# Altium PCB MB1261.PcbDoc (part 4 of 6) (continued)
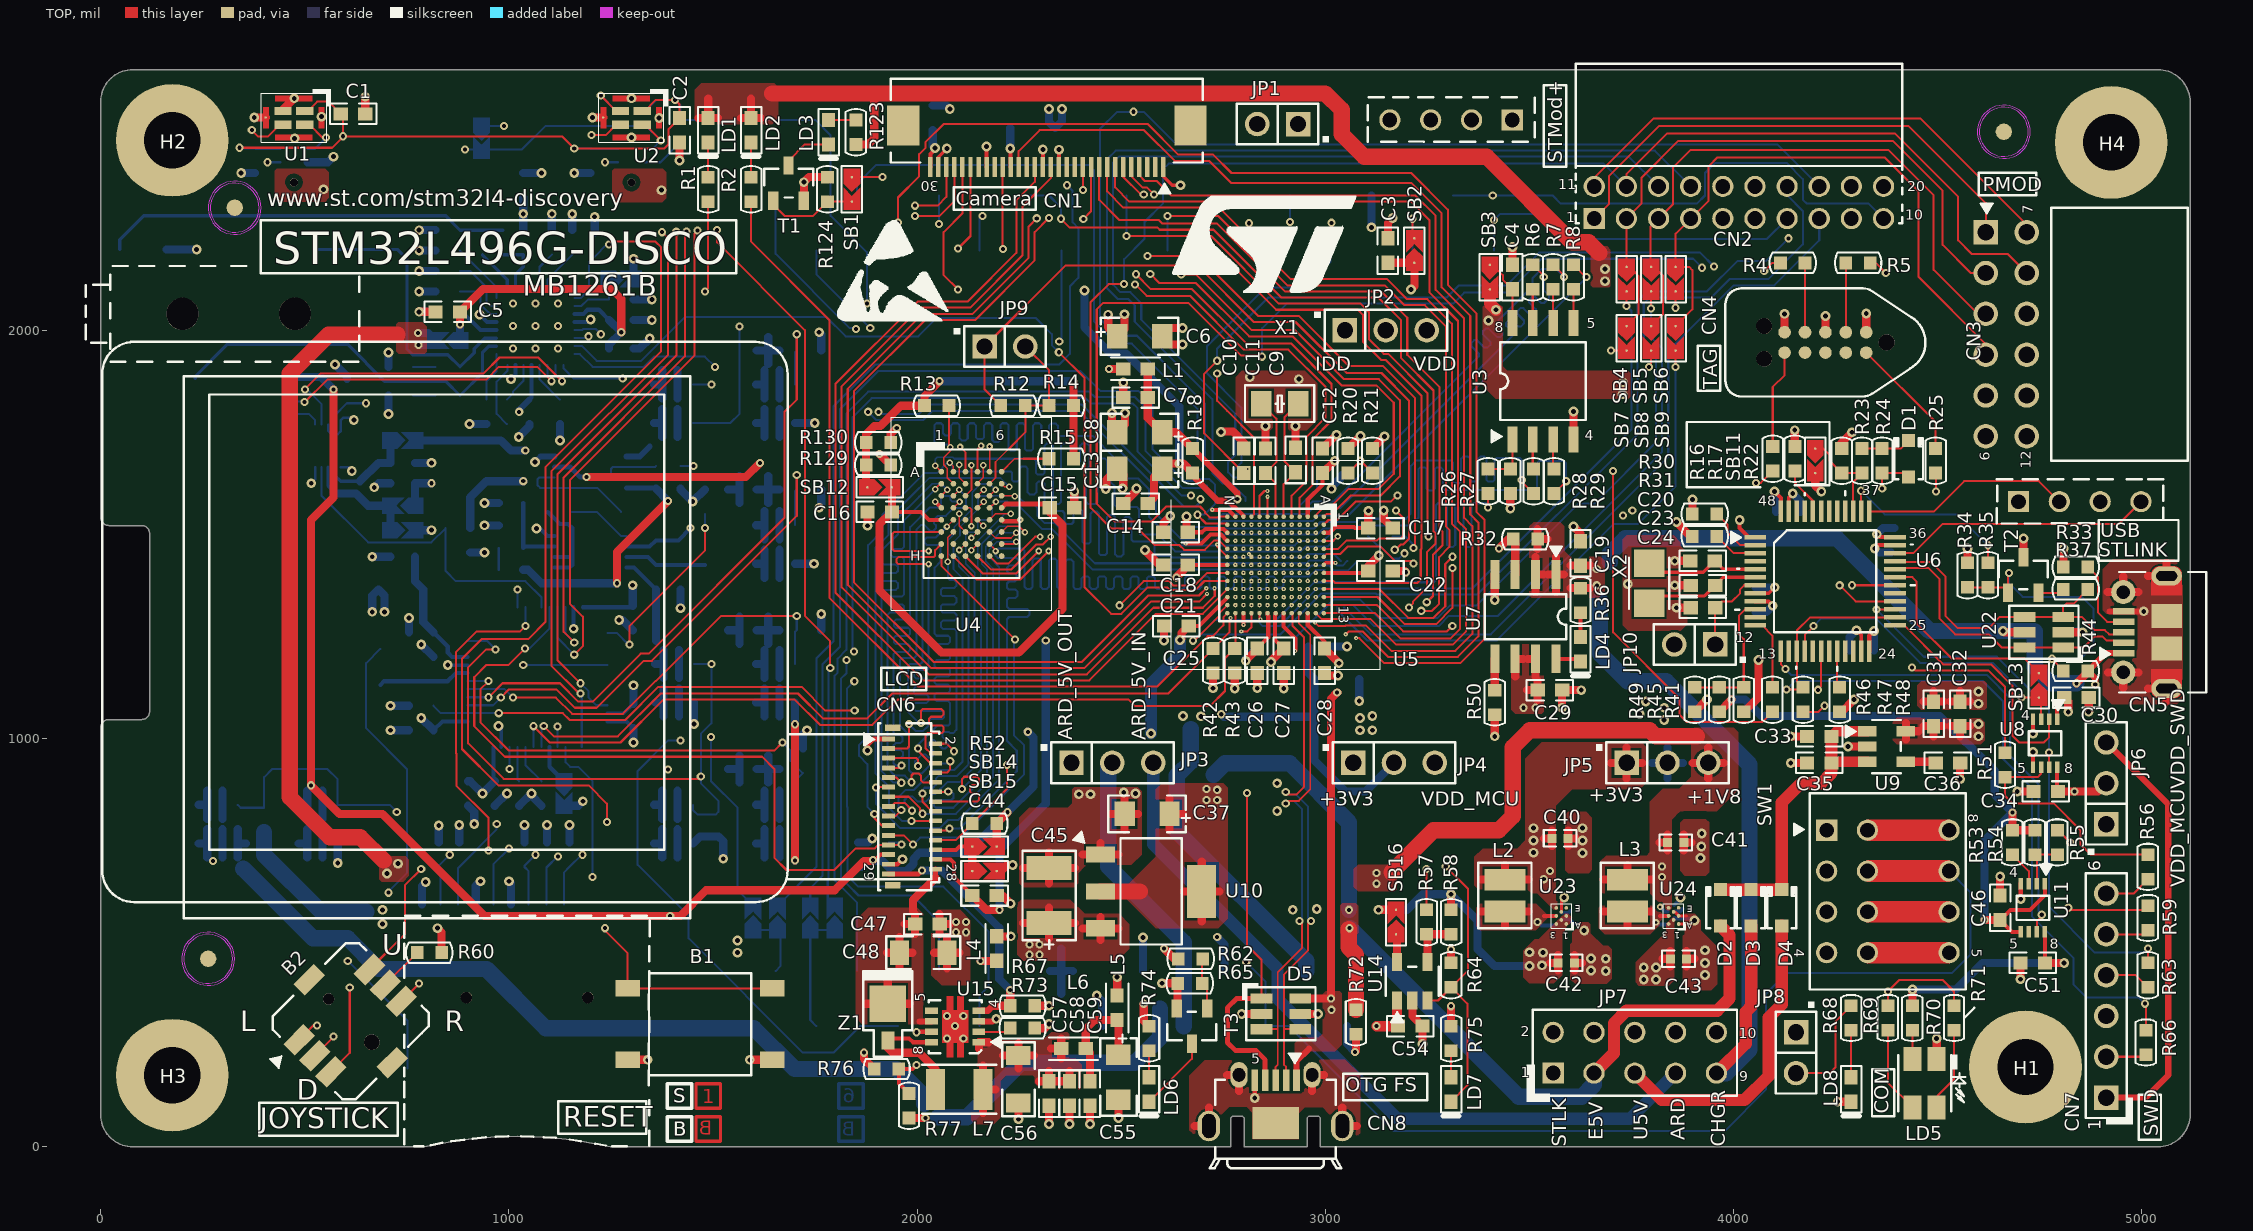
[diagram p0: TOP view]
## Nets (pads, with @x,y where several pads share a name; then routed paths per layer and width w, separated by ;. In a path a pad name is that pad's centre, name@x,y a point inside that pad or via, vN(x,y) a via of type N, cw(c..) or ccw(c..) an arc to the next point about the centre after c; other vN are vias at no path point) (continued)
NETR57_1: R57.1 R58.2 U14.4 | length 128.8
  TOP w20: U14.4@3250.5,452.24 3250.5,517.6 R57.1@3248.1,520 R58.2@3308.1,520
NETR57_2: R57.2 U21.39 | length 2545.8
  TOP w5: R57.2@3248.1,580 v1(3248.1,680)
  L3_SIG w4: v1(1205,660) 1268.96,660 1332.96,724 1954.92,724 1956.02,722.9 2014.88,722.9 2014.98,723 3205.1,723 v1(3248.1,680)
  BOTTOM w5: U21.39@1138.9,978.74 1138.9,941.1 1150,930 1170,930 1205,895 v1(1205,660)
NETR62_2: R62.2 R65.2 T3.1 | length 127.6
  TOP w5: R62.2@2700,460 2698.1,458.1 R65.2@2698.1,400 2710.5,387.6 T3.1@2710.5,338.31
NETR73_1: R73.1 U15.2 | length 80.6
  TOP w5: U15.2@2151.17,281.2 2219.3,281.2 R73.1@2228.1,290
NETR78_1: R78.1 U2.2 | length 126.9
  TOP w5: v1(1225,2575) 1263.27,2536.73 U2.2@1273.22,2536.73
  BOTTOM w5: v1(1225,2575) 1268.1,2531.9 R78.1@1268.1,2530
NETR79_1: R79.1 U16.2 | length 107.4
  BOTTOM w5: U16.2@1332.76,2411.34 1371.34,2411.34 R79.1@1420,2460
NETR91_2: R91.2 U18.4 | length 105.6
  BOTTOM w5: U18.4@1074.84,1914.72 1074.84,1879.94 1124.78,1830 R91.2@1125,1830
NETR92_2: R92.2 U19.6 U19.7 | length 168.3
  BOTTOM w5: U19.7@1287.99,1639.1 1255.9,1639.1 1250,1645 1250,1660 1254.7,1664.7 U19.6@1287.99,1664.7 1357.8,1664.7 R92.2@1360,1666.9
NETR93_1: R93.1 U5.E2 | length 152.9
  L2_GND w3.5: v3(2917.47,1523.43) 2917.47,1559.47 2921.37,1563.37 v5(2921.37,1563.64)
  L5_GND w3.5: v5(2921.37,1563.64) 2928.14,1563.64 v7(2937.05,1572.5)
  BOTTOM w5: v7(2937.05,1572.5) 2939.5,1572.5 2980,1613 R93.1@2980,1645
NETR96_1: R96.1 R97.1 U20.5 | length 157.7
  BOTTOM w5: R97.1@1155,1555 R96.1@1215,1555 1274.71,1495.29 U20.5@1287.99,1495.29
NETR96_2: R96.2 U19.1 U19.2 | length 290.6
  BOTTOM w5: U19.2@1112.01,1639.1 1074.1,1639.1 1070,1635 1070,1620 1076.49,1613.51 U19.1@1112.01,1613.51 1216.49,1613.51 R96.2@1275,1555
NETR97_2: R97.2 U20.1 U20.2 | length 256.9
  BOTTOM w10: R97.2@1095,1555 1125,1525 1145,1525 1155,1515 1155,1440 ; U20.1@1112.01,1418.51 1148.51,1418.51 1155,1425 1155,1440 ; U20.2@1112.01,1444.1 1150.9,1444.1 1155,1440
NETR101_1: R101.1 R105.1 | length 53.8
  BOTTOM w5: R105.1@975,1413.1 R101.1@975,1466.9
NETR112_1: R112.1 U21.44 | length 100.1
  BOTTOM w5: U21.44@1040.47,978.74 1040.47,934.53 R112.1@1080,895
NETR113_1: R113.1 U21.45 | length 85.5
  BOTTOM w5: U21.45@1020.79,978.74 1020.79,899.21 R113.1@1025,895
NETR124_1: R124.1 SB1.1 T1.1 | length 227.5
  TOP w5: T1.1@1647.6,2316.69 1647.6,2307.4 1675,2280 1745,2280 R124.1@1780,2315 SB1.1@1840,2315
NETSB16_2: SB16.2 U14.5 | length 68.8
  TOP w20: SB16.2@3173.1,520 3175.7,517.4 U14.5@3175.7,452.24
NETSB17_1: SB17.1 U1.4 U2.4 U16.1 U17.1 | length 1125.8
  TOP w5: U1.4@499.67,2503.27 511.73,2503.27 543,2472 v1(552,2472) ; U2.4@1326.36,2503.27 1333.73,2503.27 v1(1372,2465)
  L3_SIG w4: v1(552,2472) 580,2500 835,2500 v1(892,2443)
  BOTTOM w5: U17.1@506.07,2443.7 523.7,2443.7 v1(552,2472) ; v1(892,2443) 1032,2443 1089,2500 1337,2500 v1(1372,2465) 1350.7,2443.7 U16.1@1332.76,2443.7
NETSB24_2: SB24.2 U21.41 | length 98.4
  BOTTOM w10: U21.41@1099.53,978.74 1099.53,930.47 SB24.2@1135,895
OSC_IN: C20.2 U6.5 X2.2 | length 289.1
  TOP w8: X2.2@3793,1429.21 3815.21,1407 3926.1,1407 C20.2@3954.1,1435 3974.57,1414.53 U6.5@4052.84,1414.53
OSC_OUT: C23.2 U6.6 X2.1 | length 286.4
  TOP w8: X2.1@3793,1330.79 3811.21,1349 3929,1349 C23.2@3955,1375 3974.84,1394.84 U6.6@4052.84,1394.84
PMOD#1: CN2.1 CN3.1 U5.E6 | length 2476.2
  TOP w5: CN2.1@3658.77,2273.42 3695,2309.65 3695,2378 3817,2500 4429,2500 4618.1,2310.9 CN3.1@4618.1,2240
  L3_SIG w3.5: v4(2917.47,1444.69) 2923.06,1450.28 2936.45,1450.28 2936.61,1450.44 2937.44,1450.44 2949,1462 2961,1462 2980,1481 2994,1481 3022,1509 3065,1509 3083,1527 3101.73,1527 3109.71,1534.98
  L3_SIG w4: 3109.71,1534.98 3113.73,1539 3179,1539 3658.77,2018.77 CN2.1@3658.77,2273.42
PMOD#2: CN2.2 CN3.2 SB4.2 SB7.2 | length 1479.2
  TOP w5: SB7.2@3738.1,2010 3767,2038.9 3767,2133 3755,2145 ; SB4.2@3738.1,2155 3738.1,2272.83 CN2.2@3737.51,2273.42 3775,2310.91 3775,2374 3865,2464 4390,2464 4512,2342 4512,2209 4581,2140 CN3.2@4618.1,2140
PMOD#3: CN2.3 CN3.3 SB5.2 SB8.2 | length 1473.5
  TOP w5: 3797,2158 3797,2254.17 CN2.3@3816.25,2273.42 3852,2309.17 3852,2399 3894,2441 4380,2441 4490,2331 4490,2148 4598,2040 CN3.3@4618.1,2040 ; SB8.2@3798.1,2010 3827,2038.9 3827,2134 3815,2146
PMOD#4: CN2.4 CN3.4 SB6.2 SB9.2 | length 1504.1
  TOP w5: SB9.2@3858.1,2010 3899,2050.9 3899,2147 3891,2155 SB6.2@3858.1,2155 3858.1,2236.53 CN2.4@3894.99,2273.42 3939,2317.43 3939,2402 3960,2423 4370,2423 4453,2340 4453,2131 4618.1,1965.9 CN3.4@4618.1,1940
PMOD#11: CN2.11 CN3.7 U5.A2 | length 2456.6
  TOP w5: U5.A2@2996.21,1523.43 3007.77,1534.99 3029.48,1534.99 3074.99,1580.5 3161,1580.5 3175.5,1595 v1(3177,1595) ; CN2.11@3658.77,2352.16 3658.77,2373.77 3804,2519 4457,2519 4718.1,2257.9 CN3.7@4718.1,2240
  L3_SIG w4: v1(3177,1595) 3215,1595 3518,1898 3518,2211.39 CN2.11@3658.77,2352.16
PMOD#12: CN2.12 CN3.8 U5.N5 | length 3741.3
  TOP w5: v1(2507,2113) 2469,2113 2425,2069 2425,1627.03 2424.5,1626.53 2424.5,1595.47 2425,1594.97 2425,1565 2476,1514 2541,1514 2581.66,1473.34 2642.66,1473.34 2654,1462 2705,1462 2728.25,1485.25 2739.11,1485.25 U5.N5@2759.99,1464.37 ; CN2.12@3737.51,2352.16 3737.51,2381.51 3838,2482 4395,2482 4550,2327 4550,2220 4583,2187 4671.1,2187 CN3.8@4718.1,2140
  BOTTOM w5: v1(2507,2113) 2507,2174 2557,2224 2557,2265 2602,2310 2602,2394 2616,2408 3681.67,2408 CN2.12@3737.51,2352.16
PSRAM_A0: U4.A3 U5.F5 | length 1400.1
  TOP w4: v6@2109,1710 2118.34,1700.66 U4.A3@2118.34,1653.35
  TOP w5: v6(2105,1714) v6@2109,1710
  L3_SIG w3.5: 2814.1,1606.9 2831,1590 2831,1567.04 2888,1510.04 2888,1474.16 v4(2897.79,1464.37)
  L3_SIG w4: v6(2105,1714) 2118,1701 2187.39,1701 2192.39,1706 2192.39,1774 2187.39,1779 2150.39,1779 2146,1783.39 2146,1789.61 2150.39,1794 2204,1794 2209,1799 2209,1807 2204,1812 2149.69,1812 2145,1816.69 2145,1823.31 2149.69,1828 2604.94,1828 2748.94,1684 2780.16,1684 2814,1650.16 2814,1607 2814.1,1606.9
PSRAM_A1: U4.A4 U5.F4 | length 1396.4
  TOP w4: U4.A4@2147.86,1653.35 2147.86,1708.44 2149.42,1710
  TOP w5: 2149.42,1710 v6(2156.49,1717.07)
  L3_SIG w3.5: 2845.99,1606.9 2846.5,1606.39 2846.5,1576.5 2909,1514 2909,1499.99 2897.79,1488.78 v4(2897.79,1484.06)
  L3_SIG w4: v6(2156.49,1717.07) 2123.15,1717.07 2115.61,1724.61 2115.61,1731.02 2109.63,1737 2075,1737 2070,1742 2070,1750 2075,1755 2117.37,1755 2122.37,1760 2122.37,1769.02 2117.39,1774 2090,1774 2085,1779 2085,1847 2091,1853 2613.9,1853 2758.9,1708 2790.12,1708 2838,1660.12 2838,1614.89 2845.99,1606.9
PSRAM_A2: U4.A5 U5.F3 | length 1400.6
  TOP w4: U4.A5@2177.39,1653.35 v6@2177.39,1710
  TOP w5: v6@2177.39,1710 v6(2177.39,1715)
  L3_SIG w3.5: 2827.1,1606.9 2839,1595 2839,1570 2897.79,1511.21 v4(2897.79,1503.74)
  L3_SIG w4: v6(2177.39,1715) 2177.39,1727.07 2172.39,1732.07 2130.96,1732.07 2126,1737.03 2126,1744.04 2130.96,1749 2175.39,1749 2180.39,1754 2180.39,1762 2175.39,1767 2139,1767 2134,1772 2134,1788.27 2129,1793.27 2101,1793.27 2097,1797.27 2097,1805.27 2101,1809.27 2128.31,1809.27 2133,1813.96 2133,1820.58 2128.31,1825.27 2101,1825.27 2097,1829.27 2097,1837 2101,1841 2608.92,1841 2753.92,1696 2785.14,1696 2826,1655.14 2826,1611.98 2826.11,1611.87 2826.11,1607.89 2827.1,1606.9
PSRAM_A3: U4.B3 U5.G3 | length 1404.8
  TOP w3.5: U5.G3@2878.1,1503.74 2878.1,1504.1 2878.25,1504.25 v4(2878.25,1506)
  TOP w4: v6(2103,1670) 2103,1639.16 U4.B3@2118.34,1623.82
  L3_SIG w3.5: 2801.6,1606.9 2801.6,1606.4 2823,1585 2823,1561.25 v4(2878.25,1506)
  L3_SIG w4: v6(2103,1670) 2094.8,1670 2089.8,1665 2089.8,1647 2094.8,1642 2114.05,1642 2119.05,1647 2119.05,1683 2124.05,1688 2216,1688 2221,1693 2221,1705.43 2217,1709.43 2209,1709.43 2205,1713.43 2205,1721.43 2209,1725.43 2217,1725.43 2221,1729.43 2221,1737.43 2217,1741.43 2209,1741.43 2205,1745.43 2205,1753.43 2209,1757.43 2217,1757.43 2221,1761.43 2221,1811 2226,1816 2590,1816 2595,1811 2595,1748 2600,1743 2607.44,1743 2611.44,1747 2611.44,1788.52 2616.13,1793.21 2622.75,1793.21 2627.44,1788.52 2627.44,1747 2631.44,1743 2639.44,1743 2643.44,1747 2643.44,1756.52 2648.13,1761.21 2654.75,1761.21 2659.44,1756.52 2659.44,1747 2663.44,1743 2672.96,1743 2743.96,1672 2775.18,1672 2799,1648.18 2799,1609.5 2801.6,1606.9
PSRAM_A4: U4.B4 U5.G4 | length 1401.1
  TOP w4: U4.B4@2147.86,1623.82 2147.86,1624.86 2162,1639 v6(2162,1669)
  L3_SIG w3.5: 2787.86,1604.55 2813.54,1578.87 2813.54,1557.46 2868.5,1502.5 2868.5,1501.96 2878.1,1492.36 v4(2878.1,1484.06)
  L3_SIG w4: v6(2162,1669) 2228,1669 2233,1674 2233,1799 2238,1804 2446,1804 2451,1799 2451,1783 2456,1778 2482.51,1778 2486.51,1774 2486.51,1735 2490.51,1731 2498.51,1731 2502.51,1735 2502.51,1774 2506.51,1778 2514.51,1778 2518.51,1774 2518.51,1735 2522.51,1731 2530.51,1731 2534.51,1735 2534.51,1785.31 2539.2,1790 2545.82,1790 2550.51,1785.31 2550.51,1735 2554.51,1731 2562.51,1731 2566.51,1735 2566.51,1785.31 2571.2,1790 2577.82,1790 2582.51,1785.31 2582.51,1735 2586.51,1731 2667.98,1731 2738.98,1660 2770.2,1660 2787,1643.2 2787,1605.4 2787.85,1604.55
PSRAM_A5: U4.C3 U5.G5 | length 1402.7
  TOP w4: U4.C3@2118.34,1594.29 2133.05,1609 v6(2133.05,1669.05)
  L3_SIG w3.5: 2776,1570 2811,1535 2824.7,1535 2868.35,1491.35 2868.35,1480.02 2878.1,1470.27 v4(2878.1,1464.37)
  L3_SIG w4: v6(2133.05,1669.05) 2133.05,1644 2138.05,1639 2154,1639 2170,1655 2240,1655 2245,1660 2245,1765 2250,1770 2262.93,1770 2266.93,1774 2266.93,1788 2270.93,1792 2278.93,1792 2282.93,1788 2282.93,1774 2286.93,1770 2294.93,1770 2298.93,1774 2298.93,1788 2302.93,1792 2310.93,1792 2314.93,1788 2314.93,1774 2318.93,1770 2326.93,1770 2330.93,1774 2330.93,1788 2334.93,1792 2342.93,1792 2346.93,1788 2346.93,1774 2350.93,1770 2358.93,1770 2362.93,1774 2362.93,1788 2366.93,1792 2396,1792 2401,1787 2401,1779 2406,1774 2415,1774 2420,1779 2420,1787 2425,1792 2433,1792 2438,1787 2438,1724 2443,1719 2448.42,1719 2452.42,1723 2452.42,1762 2456.42,1766 2464.42,1766 2468.42,1762 2468.42,1723 2472.42,1719 2663,1719 2739,1643 2739,1636 2768.17,1606.83 2768.17,1577.83 2776,1570
PSRAM_A6: U4.C4 U5.N6 | length 1403.5
  TOP w4: U4.C4@2147.86,1594.29 2162.57,1609 v6(2163,1609)
  TOP w5: v4(2734.75,1474.75) 2734.75,1469.93 U5.N6@2759.99,1444.69
  L3_SIG w3.5: 2688.8,1514.2 2689,1514.2 2690,1513.2 2690,1490 2705.25,1474.75 v4(2734.75,1474.75)
  L3_SIG w4: v6(2163,1609) 2163,1628 2180,1645 2252,1645 2257,1650 2257,1753 2262,1758 2389.38,1758 2393.38,1754 2393.38,1711.69 2398.07,1707 2404.69,1707 2409.38,1711.69 2409.38,1757.13 2414.25,1762 2421.13,1762 2426,1757.13 2426,1712 2431,1707 2657,1707 2662,1702 2662,1698 2657,1693 2619,1693 2614,1688 2614,1659 2619,1654 2657,1654 2662,1649 2662,1643 2657,1638 2619,1638 2614,1633 2614,1626 2619,1621 2654,1621 2659,1616 2659,1609 2654,1604 2618,1604 2613,1599 2613,1591 2618,1586 2654,1586 2663,1577 2663,1569 2658,1564 2646,1564 2641,1559 2641,1535 2656,1520 2683,1520 2688.8,1514.2
PSRAM_A7: U4.D4 U5.M6 | length 1400.2
  TOP w4: U4.D4@2147.86,1564.76 v6(2163,1579.9)
  L2_GND w3.5: 2730,1446.79 2777.57,1446.79 v3(2779.67,1444.69)
  L2_GND w5: v5(2682,1479) 2683,1479 2715.21,1446.79 2730,1446.79
  L3_SIG w4: v6(2163,1579.9) 2163,1589.2 2177,1603.2 2177,1622 2186,1631 2248,1631 2253,1626 2253,1583.69 2257.69,1579 2264.31,1579 2269,1583.69 2269,1741.88 2273.12,1746 2278.96,1746 2283.08,1741.88 2283.08,1699 2287.08,1695 2295.08,1695 2299.08,1699 2299.08,1741.31 2303.77,1746 2310.39,1746 2315.08,1741.31 2315.08,1699 2319.08,1695 2327.08,1695 2331.08,1699 2331.08,1741.31 2335.77,1746 2342.39,1746 2347.08,1741.31 2347.08,1699 2351.08,1695 2359.08,1695 2363.08,1699 2363.08,1741.31 2367.77,1746 2374.39,1746 2379.08,1741.31 2379.08,1699 2383.08,1695 2596,1695 2601,1690 2601,1537.12 2619.12,1519 2640,1519 2652.25,1506.75 2652.25,1504.36 2677.61,1479 v5(2682,1479)
PSRAM_A8: U4.H2 U5.L6 | length 1402.7
  TOP w5: U4.H2@2088.81,1446.65 2146.46,1389 2252,1389 v6(2322,1459)
  L2_GND w3.5: 2728.3,1437.2 2773.37,1437.2 2775.63,1434.94 2789.62,1434.94 v3(2799.36,1444.68)
  L2_GND w5: v5(2634,1460) 2684,1460 2706.8,1437.2 2728.3,1437.2
  L3_SIG w3.5: 2617.1,1460.9 2633.1,1460.9 v5(2634,1460)
  L3_SIG w4: v6(2322,1459) 2331,1459 2357,1485 2365.34,1485 2369.34,1489 2369.34,1536 2373.34,1540 2381.34,1540 2385.34,1536 2385.34,1489 2389.34,1485 2397.34,1485 2401.34,1489 2401.34,1536 2405.34,1540 2413.34,1540 2417.34,1536 2417.34,1489 2421.34,1485 2429.34,1485 2433.34,1489 2433.34,1536 2437.34,1540 2445.34,1540 2449.34,1536 2449.34,1489 2453.34,1485 2461.34,1485 2465.34,1489 2465.34,1536 2469.34,1540 2477.34,1540 2481.34,1536 2481.34,1489 2485.34,1485 2493.34,1485 2497.34,1489 2497.34,1536 2501.34,1540 2509.34,1540 2513.34,1536 2513.34,1489 2517.34,1485 2525.34,1485 2529.34,1489 2529.34,1536 2533.34,1540 2541.34,1540 2545.34,1536 2545.34,1489 2549.34,1485 2576,1485 2600.1,1460.9 2617.1,1460.9
PSRAM_A9: U4.H3 U5.K6 | length 1420.2
  TOP w3.5: v4(2812.43,1451.3) U5.K6@2819.04,1444.69
  TOP w5: U4.H3@2118.34,1446.65 2160.99,1404 2243,1404 v6(2298,1459)
  L3_SIG w3.5: 2622.75,1477.25 2635.75,1477.25 2663,1450 2755,1450 2756.3,1451.3 v4(2812.43,1451.3)
  L3_SIG w4: v6(2298,1459) 2313,1474 2329,1474 2343.5,1488.5 2343.5,1512.5 2320,1536 2320,1578.18 2324.82,1583 2331.63,1583 2336.45,1578.18 2336.45,1557.69 2341.14,1553 2347.76,1553 2352.45,1557.69 2352.45,1579 2357.45,1584 2364.59,1584 2369.59,1579 2369.59,1556 2373.59,1552 2381.59,1552 2385.59,1556 2385.59,1582 2389.59,1586 2399,1586 2404,1581 2404,1556.79 2408.79,1552 2415.57,1552 2420.36,1556.79 2420.36,1587 2424.36,1591 2432.36,1591 2436.36,1587 2436.36,1556.69 2441.05,1552 2447.67,1552 2452.36,1556.69 2452.36,1587 2456.36,1591 2464.36,1591 2468.36,1587 2468.36,1556.69 2473.05,1552 2479.67,1552 2484.36,1556.69 2484.36,1587 2488.36,1591 2496.36,1591 2500.36,1587 2500.36,1556.69 2505.05,1552 2511.67,1552 2516.36,1556.69 2516.36,1587 2520.36,1591 2528,1591 2533,1586 2533,1556.69 2537.69,1552 2544.31,1552 2549,1556.69 2549,1586 2554,1591 2559,1591 2564,1586 2564,1513.98 2600.73,1477.25 2622.75,1477.25
PSRAM_A10: U4.H4 U5.J6 | length 1409.7
  TOP w5: U4.H4@2147.86,1446.65 2180.51,1414 2231,1414 2292,1475 2308,1475 v6(2327,1494)
  L3_SIG w3.5: 2634.75,1489.25 2635.75,1489.25 2667.5,1457.5 2748.5,1457.5 2754,1463 2814.75,1463 2833.06,1444.69 v4(2838.73,1444.69)
  L3_SIG w4: v6(2327,1494) 2327,1511 2293,1545 2293,1660.31 2297.69,1665 2304.31,1665 2309,1660.31 2309,1621.98 2313.98,1617 2321.02,1617 2326,1621.98 2326,1661.31 2330.69,1666 2337.31,1666 2342,1661.31 2342,1601 2347,1596 2354,1596 2359,1601 2359,1666 2364,1671 2401,1671 2406,1666 2406,1609 2411,1604 2418,1604 2423,1609 2423,1631 2428,1636 2571,1636 2576,1631 2576,1518.96 2605.71,1489.25 2634.75,1489.25
PSRAM_A11: U4.H5 U5.H6 | length 1421.3
  TOP w5: U4.H5@2177.39,1446.65 2196.04,1428 2223,1428 2289,1494 v6(2301,1494)
  L3_SIG w3.5: 2643.24,1497.74 2643.24,1496.52 2674.76,1465 2745.39,1465 2754.39,1474 2814.36,1474 2833.92,1454.44 2848.66,1454.44 v4(2858.41,1444.69)
  L3_SIG w4: v6(2301,1494) 2301,1516 2281,1536 2281,1678 2286,1683 2422.1,1683 2426.1,1679 2426.1,1653 2430.1,1649 2438.1,1649 2442.1,1653 2442.1,1679 2446.1,1683 2454.1,1683 2458.1,1679 2458.1,1653 2462.1,1649 2470.1,1649 2474.1,1653 2474.1,1679 2478.1,1683 2486.1,1683 2490.1,1679 2490.1,1653 2494.1,1649 2502.1,1649 2506.1,1653 2506.1,1679 2510.1,1683 2518.1,1683 2522.1,1679 2522.1,1653 2526.1,1649 2534.1,1649 2538.1,1653 2538.1,1679 2542.1,1683 2550.1,1683 2554.1,1679 2554.1,1653 2558.1,1649 2566.1,1649 2570.1,1653 2570.1,1679 2574.1,1683 2584,1683 2589,1678 2589,1522.94 2610.69,1501.25 2639.73,1501.25 2643.24,1497.74
PSRAM_A12: U4.G3 U5.J12 | length 1400.5
  TOP w4: v6(2103,1461.47) 2103.63,1461.47 U4.G3@2118.34,1476.18
  L2_GND w3.5: v5(2834,1234) 2834,1245 2820,1259 2820,1270 2830,1280 2830,1317.84 v3(2838.73,1326.57)
  L3_SIG w4: v6(2103,1461.47) 2067.47,1497 2008,1497 1986,1475 1986,1384.58 2202.98,1167.6 2215.98,1167.6 2219.98,1171.6 2219.98,1181 2223.98,1185 2231.98,1185 2235.98,1181 2235.98,1171.6 2239.98,1167.6 2247.98,1167.6 2251.98,1171.6 2251.98,1181 2255.98,1185 2263.98,1185 2267.98,1181 2267.98,1171.6 2271.98,1167.6 2279.98,1167.6 2283.98,1171.6 2283.98,1181 2287.98,1185 2295.98,1185 2299.98,1181 2299.98,1171.6 2303.98,1167.6 2691.88,1167.6 2702.18,1177.9 2749.04,1177.9 2797.14,1226 2817.98,1226 2825.98,1234 v5(2834,1234)
PSRAM_A13: U4.G4 U5.J11 | length 1418.2
  TOP w4: v6(2133,1461) 2147.86,1475.86 U4.G4@2147.86,1476.18
  L2_GND w3.5: v5(2835,1265) 2835,1271.58 2851,1287.58 2851,1307.66 2848.66,1310 2848.66,1330.88 2838.73,1340.81 v3(2838.73,1346.26)
  L3_SIG w4: v6(2133,1461) 2133,1459.68 2120.32,1447 2096,1447 2058,1485 2015,1485 2000,1470 2000,1387.56 2190.56,1197 2315.55,1197 2319.55,1193 2319.55,1184 2323.55,1180 2331.55,1180 2335.55,1184 2335.55,1193 2339.55,1197 2347.55,1197 2351.55,1193 2351.55,1184 2355.55,1180 2363.55,1180 2367.55,1184 2367.55,1193 2371.55,1197 2379.55,1197 2383.55,1193 2383.55,1184 2387.55,1180 2395.55,1180 2399.55,1184 2399.55,1193 2403.55,1197 2411.55,1197 2415.55,1193 2415.55,1184 2419.55,1180 2427.55,1180 2431.55,1184 2431.55,1193 2435.55,1197 2443.55,1197 2447.55,1193 2447.55,1184 2451.55,1180 2687.3,1180 2697.2,1189.9 2744.06,1189.9 2792.16,1238 2803.98,1238 2830.98,1265 v5(2835,1265)
PSRAM_A14: U4.F3 U5.J10 | length 1593.2
  TOP w4: v6(2103,1550) 2103,1521.05 U4.F3@2118.34,1505.71
  L3_SIG w3.5: v4(2838.73,1365.94) 2838.73,1341.89 2890.7,1289.92 2890.7,1267.34 2877,1253.64 2877,1224.64 2860.86,1208.5
  L3_SIG w4: v6(2103,1550) 2097,1556 2016.06,1556 1950,1489.94 1950,1369.63 2191.63,1128 2703.22,1128 2717.12,1141.9 2800.76,1141.9 2848,1189.14 2848,1195.64 2860.86,1208.5
PSRAM_A15: U4.F4 U5.J9 | length 1432.8
  TOP w4: v6(2133,1491) 2147.71,1505.71 U4.F4@2147.86,1505.71
  L2_GND w3.5: v5(2816,1286) 2816,1295 2809.15,1301.85 2809.15,1350.36 2815,1356.21 2823.08,1356.21 2828.79,1361.92 2828.79,1375.69 v4(2838.73,1385.63)
  L3_SIG w4: v6(2133,1491) 2147,1477 2147,1455.2 2127.8,1436 2092,1436 2053,1475 2024,1475 2012,1463 2012,1392.54 2195.54,1209 2460.47,1209 2464.47,1205 2464.47,1196 2468.47,1192 2476.47,1192 2480.47,1196 2480.47,1205 2484.47,1209 2492.47,1209 2496.47,1205 2496.47,1196 2500.47,1192 2508.47,1192 2512.47,1196 2512.47,1205 2516.47,1209 2524.47,1209 2528.47,1205 2528.47,1196 2532.47,1192 2540.47,1192 2544.47,1196 2544.47,1205 2548.47,1209 2556.47,1209 2560.47,1205 2560.47,1196 2564.47,1192 2682.32,1192 2692.22,1201.9 2739.08,1201.9 2787.18,1250 2799,1250 2816,1267 v5(2816,1286)
PSRAM_A16: U4.E4 U5.K12 | length 1525.5
  TOP w4: U4.E4@2147.86,1535.24 2147.86,1535.14 v6(2162,1521)
  L3_SIG w3.5: v4(2819.04,1326.57) 2832.83,1326.57 2861,1298.4 2861,1226.34 2848,1213.34 2848,1212.98 2843.52,1208.5
  L3_SIG w4: v6(2162,1521) 2152,1521 2137,1536 2094,1536 2085,1545 2022.04,1545 1962,1484.96 1962,1374.61 2194.71,1141.9 2700.14,1141.9 2712.14,1153.9 2795.78,1153.9 2836,1194.12 2836,1200.98 2843.52,1208.5
PSRAM_A17: U4.D3 U5.K11 | length 1494.4
  TOP w4: U4.D3@2118.34,1564.76 2129.24,1564.76 2133,1561 v6(2133,1520)
  L3_SIG w3.5: v4(2819.04,1346.26) 2817,1346.26 2809.29,1338.55 2809.29,1322.53 2821.82,1310 2836.66,1310 2851,1295.66 2851,1232.96 2832.04,1214 2824.3,1214
  L3_SIG w4: v6(2133,1520) 2128,1515 2097,1515 2079,1533 2027.02,1533 1974,1479.98 1974,1379.6 2198,1155.6 2696.86,1155.6 2707.16,1165.9 2754.02,1165.9 2802.12,1214 2824.3,1214
PSRAM_A18: CN6.21 U4.H1 U5.K13 | length 2187.9
  TOP w5: CN6.21@1930.26,762.46 1967.44,762.46 v1(1990,739.9) ; U4.H1@2059.28,1446.65 2059.28,1422.72 v1(2240,1242) ; v4(2794,1262) 2809,1262 2819,1272 2819,1306.85 U5.K13@2819.04,1306.89
  L3_SIG w4: v1(2240,1242) 2210,1242 2205,1237 2205,1226 2210,1221 2266.69,1221 2270.69,1225 2270.69,1240.31 2275.38,1245 2282,1245 2286.69,1240.31 2286.69,1226 2291.69,1221 2328.69,1221 2333.69,1226 2333.69,1239.31 2338.38,1244 2345,1244 2349.69,1239.31 2349.69,1226 2354.69,1221 2360.69,1221 2365.69,1226 2365.69,1239.31 2370.38,1244 2377,1244 2381.69,1239.31 2381.69,1226 2386.69,1221 2394.56,1221 2399.56,1226 2399.56,1240 2403.56,1244 2411.56,1244 2415.56,1240 2415.56,1226 2420.56,1221 2427.11,1221 2432.11,1226 2432.11,1240 2436.11,1244 2444.11,1244 2448.11,1240 2448.11,1226 2453.11,1221 2459.11,1221 2464.11,1226 2464.11,1240 2468.11,1244 2476.11,1244 2480.11,1240 2480.11,1226 2485.11,1221 2491.11,1221 2496.11,1226 2496.11,1240 2500.11,1244 2508.11,1244 2512.11,1240 2512.11,1226 2517.11,1221 2524.51,1221 2529.51,1226 2529.51,1240 2533.51,1244 2541.51,1244 2545.51,1240 2545.51,1226 2550.51,1221 2558,1221 2563,1226 2563,1237 2568,1242 2574.07,1242 2579.07,1237 2579.07,1208.67 2583.74,1204 2590.33,1204 2595,1208.67 2595,1216 2600,1221 2607.07,1221 2611.07,1217 2611.07,1208 2615.07,1204 2623.07,1204 2627.07,1208 2627.07,1217.31 2631.76,1222 2638.38,1222 2643.07,1217.31 2643.07,1208 2647.07,1204 2655.07,1204 2659.07,1208 2659.07,1217 2663.07,1221 2696.27,1221 2700.27,1225 2700.27,1237.31 2704.96,1242 2711.58,1242 2716.27,1237.31 2716.27,1225 2720.27,1221 2731,1221 2736,1226 2736,1242 2756,1262 v4(2794,1262)
  BOTTOM w5: v1(1990,739.9) 2007.1,757 2107,757 2262,912 2262,983 2237,1008 2237,1239 v1(2240,1242)
PSRAM_NBL0: U4.A1 U5.A4 | length 1994.4
  TOP w4: v6(2044,1667.63) 2045,1667.63 U4.A1@2059.28,1653.35
  TOP w5: U5.A4@2996.21,1484.06 3019.56,1484.06 v6(3030.25,1494.75)
  BOTTOM w4: v6(2044,1667.63) 2044,1684 2049,1689 2087,1689 2091,1685
  BOTTOM w5: 2091,1685 2286,1685 2291,1680 2291,1651 2296,1646 2307.31,1646 2312.31,1651 2312.31,1717 2317.31,1722 2327.31,1722 2332.31,1717 2332.31,1579 2337.31,1574 2347.24,1574 2352.24,1579 2352.24,1717 2357.24,1722 2371,1722 2376,1717 2376,1679 2381,1674 2394,1674 2399,1679 2399,1717 2404,1722 2417,1722 2422,1717 2422,1667 2414,1659 2414,1579 2419,1574 2437,1574 2442,1579 2442,1681 2447,1686 2460,1686 2465,1681 2465,1637 2483,1619 2483,1572 2488,1567 2538,1567 2543,1562 2543,1504 2548,1499 2590.98,1499 2631.98,1458 2939.98,1458 2951.98,1470 3005.5,1470 v6(3030.25,1494.75)
PSRAM_NBL1: R13.1 U4.B2 U5.B4 | length 2152
  TOP w4: v6@2081,1710 2081,1704 2065,1688 2065,1670 2074,1661 2074,1638.63 U4.B2@2088.81,1623.82
  TOP w5: R13.1@2078.1,1815 2078.1,1715.9 v6(2081,1713) v6@2081,1710
  L2_GND w3.5: v3(2976.53,1484.06) 2989.06,1484.06 3026,1521 3035,1521 v5(3037,1523)
  L5_GND w3.5: v7(3014,1503) 3034,1523 v5(3037,1523)
  BOTTOM w5: v6(2081,1713) 2081,1715 2076,1720 2047,1720 2042,1725 2042,1767 2047,1772 2058.35,1772 2063.35,1767 2063.35,1747 2068.35,1742 2078.35,1742 2083.35,1747 2083.35,1767 2088.35,1772 2098.96,1772 2103.96,1767 2103.96,1735 2108.96,1730 2118.96,1730 2123.96,1735 2123.96,1767 2128.96,1772 2138.96,1772 2143.96,1767 2143.96,1738 2148.96,1733 2158.96,1733 2163.96,1738 2163.96,1767 2168.96,1772 2178.96,1772 2183.96,1767 2183.96,1731 2188.96,1726 2198.96,1726 2203.96,1731 2203.96,1767 2208.96,1772 2218.96,1772 2223.96,1767 2223.96,1710 2228.96,1705 2238.96,1705 2243.96,1710 2243.96,1767 2248.96,1772 2258.96,1772 2263.96,1767 2263.96,1710 2268.96,1705 2278.96,1705 2283.96,1710 2283.96,1767 2288.96,1772 2299,1772 2304,1767 2304,1746 2309,1741 2317.77,1741 2322.77,1746 2322.77,1766 2327.77,1771 2340,1771 2345,1766 2345,1745 2349,1741 2430,1741 2482,1689 2482,1645 2490,1637 2541,1637 2568,1610 2568,1543.2 2638.2,1473 2925,1473 2936,1484 2995,1484 v7(3014,1503)
PSRAM_NE: JP9.1 R12.2 U5.B7 | length 2026.8
  TOP w5: R12.2@2205,1815 2165,1855 JP9.1@2165,1960 2364,2159 2686,2159 2825,2020 2926.91,2020 3051.91,1895 3137.44,1895 3205,1827.44 3205,1488.78 3191.22,1475 3185,1475 3172,1462 v1(3170,1462)
  L3_SIG w3.5: v4(2976.53,1425) 2991.53,1440 3093,1440 3106,1427 3132,1427
  L3_SIG w4: 3132,1427 3137,1427 3170,1460 v1(3170,1462)
PSRAM_VDD: R13.2 R14.2 R15.1 R129.1 R130.1 SB12.2 | length 892.6
  TOP w20: 1880,1620 1875,1625 R129.1@1875,1670 R130.1@1875,1725 1875,1745 1895,1765 1910,1765 1960,1815 R13.2@2018.1,1815 2018.1,1838.1 v1(2055,1875) ; R15.1@2383.1,1685 R14.2@2383.1,1815 v1(2383.1,1875)
  BOTTOM w20: v1(2055,1875) v1(2383.1,1875)
PWR_ENN: R32.2 U6.28 U7.3 | length 1157.2
  TOP w5: v1(4260,1375) 4299.21,1335.79 U6.28@4395.36,1335.79
  TOP w20: v1(3425,1465) 3448.1,1488.1 R32.2@3460,1488.1 3465,1483.1 U7.3@3465,1401.4
  L3_SIG w5: v1(3425,1465) 4167.58,1465 4257.58,1375 v1(4260,1375)
QSPI_BK1_IO0: R8.1 U5.L5 | length 1425.8
  TOP w5: R8.1@3608.1,2160 3638.1,2130 v1(3640,2130)
  L2_GND w3.5: v5(2675,1500) 2680,1500 2704,1476 2704,1473 2721.2,1455.8 2768.5,1455.8 2769.86,1454.44 2789.44,1454.44 v3(2799.36,1464.36)
  L5_GND w3.5: v5(2675,1500) 2682,1507 v7@2682,1514.2
  L5_GND w5: v7@2682,1514.2 v7(2682,1518)
  BOTTOM w5: v7(2682,1518) 2734,1518 2748,1532 2969,1532 2983,1546 3056,1546 v1(3640,2130)
QSPI_BK1_IO1: R28.1 U5.K5 | length 1396.1
  TOP w5: v1(3481,1633) 3481,1629 R28.1@3510,1600
  L2_GND w3.5: v5(2750.63,1486.19) 2750.81,1486.19 2762.88,1474.12 2809.29,1474.12 v3(2819.04,1464.37)
  L5_GND w3.5: v5(2750.63,1486.19) 2751,1486.56 v7(2751,1514)
  BOTTOM w5: v7(2751,1514) 2972.2,1514 2988.2,1530 3076,1530 3084,1538 3197,1538 3209,1550 3209,1667 3223,1681 3307.58,1681 3312.58,1676 3312.58,1630 3317.58,1625 3327.58,1625 3332.58,1630 3332.58,1685 3337.58,1690 3349.54,1690 3354.54,1685 3354.54,1634 3359.54,1629 3369.54,1629 3374.54,1634 3374.54,1685 3379.54,1690 3389.54,1690 3394.54,1685 3394.54,1634 3399.54,1629 3409.54,1629 3414.54,1634 3414.54,1682 3419.54,1687 3476,1687 3481,1682 v1(3481,1633)
QSPI_BK1_IO2: R29.1 U5.L4 | length 1409.8
  TOP w5: R29.1@3560,1600 v1(3590,1630)
  L2_GND w3.5: v5(2723.25,1501.52) 2753.48,1501.52 2761.01,1493.99 2783.53,1493.99 2793.46,1484.06 v3(2799.36,1484.06)
  L5_GND w3.5: v5(2723.25,1501.52) 2723.25,1495.08 v7(2732.35,1485.98)
  BOTTOM w5: v7(2732.35,1485.98) 2732.98,1485.98 2747,1500 2981,1500 2995.25,1514.25 3076.25,1514.25 3084,1522 3210,1522 3228,1540 3228,1659 3233,1664 3243,1664 3248,1659 3248,1612 3253,1607 3263,1607 3268,1612 3268,1659 3273,1664 3283,1664 3288,1659 3288,1613 3293,1608 3513,1608 3518,1613 3518,1674 3523,1679 3585,1679 3590,1674 v1(3590,1630)

## Text inside footprints (layer, text, board x,y; h text height)
CN9: DXF_0731 "2" at 3351.7,2515 h16; DXF_0731 "4" at 3151.7,2515 h16; DXF_0731 "1" at 3451.7,2515 h16; DXF_0731 "3" at 3251.7,2515 h16; DXF_0731 "Sofer Lib Information" at 3559.1,2902 h25; DXF_0731 "Ref PN: ***" at 3529.1,2852 h25; DXF_0731 "Creat : Sofer Tech" at 3529.1,2812 h25; DXF_0731 "Date  : 2007-11-21" at 3529.1,2772 h25; DXF_0731 "Rev   : B1" at 3529.1,2732 h25; DXF_0731 "Remark: ***" at 3529.1,2692 h25; DXF_0731 "HDR_1X4_2R54" at 3214.1,2405 h30; DXF_0731 "[N_A]" at 3303.1,2405 h30; DXF_0731 "Approved" at 3186.1,2503.33 h35; Bottom Overlay "1" at 3560,2510 h40
CN10: DXF_0731 "8" at 3206.7,2195 h16 r180; DXF_0731 "9" at 3306.7,2330 h16 r180; DXF_0731 "10" at 3400.3,2195 h16 r180; DXF_0731 "6" at 3006.7,2195 h16 r180; DXF_0731 "5" at 2906.7,2330 h16 r180; DXF_0731 "4" at 2806.7,2195 h16 r180; DXF_0731 "3" at 2706.7,2330 h16 r180; DXF_0731 "2" at 2606.7,2195 h16 r180; DXF_0731 "1" at 2506.7,2330 h16 r180; DXF_0731 "7" at 3106.7,2330 h16 r180; DXF_0731 "Sofer Lib Information" at 2783.1,1827.5 h25 r180; DXF_0731 "Ref PN: SSW-110-22-X-S-VS" at 2813.1,1877.5 h25 r180; DXF_0731 "Creat : Yuki" at 2813.1,1917.5 h25 r180; DXF_0731 "Date  : 2014-12-04" at 2813.1,1957.5 h25 r180; DXF_0731 "Rev   : A1" at 2813.1,1997.5 h25 r180; DXF_0731 "Remark: D031-014A1" at 2813.1,2037.5 h25 r180; DXF_0731 "OK" at 2935.1,2262.5 h35 r180; DXF_0731 "2.54" at 2539.1,2100.5 h16 r180; DXF_0731 "5.08" at 2694.1,2100.5 h16 r180; DXF_0731 "20.32" at 2868.1,2440.5 h16 r180; DXF_0731 "25.91" at 2868.1,2465.5 h16 r180; DXF_0731 "2.41" at 3489.1,2270.5 h16 r180; DXF_0731 "5.16" at 3544.1,2270.5 h16 r180; Bottom Overlay "10" at 3435,2105 h25; Bottom Overlay "9" at 3370,2330 h25; Bottom Overlay "2" at 2620,2105 h25
CN11: DXF_0731 "8" at 2346.7,2195 h16 r180; DXF_0731 "7" at 2246.7,2330 h16 r180; DXF_0731 "6" at 2146.7,2195 h16 r180; DXF_0731 "5" at 2046.7,2330 h16 r180; DXF_0731 "4" at 1946.7,2195 h16 r180; DXF_0731 "3" at 1846.7,2330 h16 r180; DXF_0731 "2" at 1746.7,2195 h16 r180; DXF_0731 "1" at 1646.7,2330 h16 r180; DXF_0731 "Sofer Lib Information" at 1808.1,1847.5 h25 r180; DXF_0731 "Ref PN: SSW-108-22-X-S-VS" at 1838.1,1897.5 h25 r180; DXF_0731 "Creat : Yuki" at 1838.1,1937.5 h25 r180; DXF_0731 "Date  : 2014-12-04" at 1838.1,1977.5 h25 r180; DXF_0731 "Rev   : A1" at 1838.1,2017.5 h25 r180; DXF_0731 "Remark: D031-014A1" at 1838.1,2057.5 h25 r180; DXF_0731 "OK" at 1975.1,2262.5 h35 r180; DXF_0731 "2.54" at 1774.1,2090.5 h16 r180; DXF_0731 "5.08" at 1724.1,2415.5 h16 r180; DXF_0731 "15.24" at 1928.1,2445.5 h16 r180; DXF_0731 "20.83" at 1958.1,2475.5 h16 r180; DXF_0731 "2.41" at 2434.1,2270.5 h16 r180; DXF_0731 "5.16" at 2489.1,2270.5 h16 r180; Bottom Overlay "8" at 2360,2110 h25; Bottom Overlay "7" at 2311,2379 h25; Bottom Overlay "2" at 1765,2105 h25
CN12: DXF_0731 "4" at 225.1,1882.52 h16 r180; DXF_0731 "2" at 40.06,2197.48 h16 r180; DXF_0731 "6" at 516.43,2197.48 h16 r180; DXF_0731 "3" at 154.23,2197.48 h16 r180; DXF_0731 "7" at 114.86,1882.52 h16 r180; DXF_0731 "5" at 675.88,2008.5 h16 r180
CN13: DXF_0731 "8" at 550.48,1664.25 h16 r180; DXF_0731 "9" at 566.23,1664.25 h16 r180; DXF_0731 "7" at 534.73,1664.25 h16 r180; DXF_0731 "2" at 566.23,1768.59 h16 r180; DXF_0731 "4" at 534.73,1768.59 h16 r180; DXF_0731 "5" at 518.98,1768.59 h16 r180; DXF_0731 "11" at 463.77,1716.42 h16 r180; DXF_0731 "12" at 624.39,1716.42 h16 r180; DXF_0731 "6" at 518.98,1664.25 h16 r180; DXF_0731 "10" at 575.58,1664.25 h16 r180; DXF_0731 "1" at 581.98,1768.59 h16 r180; DXF_0731 "3" at 550.48,1768.59 h16 r180; DXF_0731 "Sofer Lib Information" at 430.25,1389.42 h25 r180; DXF_0731 "Ref PN: DF37NB-10DS-0R4V" at 460.25,1439.42 h25 r180; DXF_0731 "Creat : Yuki" at 460.25,1479.42 h25 r180; DXF_0731 "Date  : 2015-11-06" at 460.25,1519.42 h25 r180; DXF_0731 "Rev   : A1" at 460.25,1559.42 h25 r180; DXF_0731 "Remark: D031-015A2" at 460.25,1599.42 h25 r180; DXF_0731 "DF37NB-10DS-0R4V" at 434.25,1911.42 h30 r180; DXF_0731 "OK" at 528.88,1736.42 h35 r180; Bottom Overlay "6" at 496.88,1661.42 h25 r180; Bottom Overlay "10" at 601.88,1661.42 h25 r180; Bottom Overlay "5" at 510,1770 h25
CN14: DXF_0731 "2" at 4791.7,1580 h16 r180; DXF_0731 "4" at 4991.7,1580 h16 r180; DXF_0731 "1" at 4691.7,1580 h16 r180; DXF_0731 "3" at 4891.7,1580 h16 r180; DXF_0731 "Sofer Lib Information" at 4597.1,1193 h25 r180; DXF_0731 "Ref PN: ***" at 4627.1,1243 h25 r180; DXF_0731 "Creat : Sofer Tech" at 4627.1,1283 h25 r180; DXF_0731 "Date  : 2007-11-21" at 4627.1,1323 h25 r180; DXF_0731 "Rev   : B1" at 4627.1,1363 h25 r180; DXF_0731 "Remark: ***" at 4627.1,1403 h25 r180; DXF_0731 "HDR_1X4_2R54" at 4654.1,1690 h30 r180; DXF_0731 "[N_A]" at 4733.1,1690 h30 r180; DXF_0731 "Approved" at 4746.1,1591.67 h35 r180; Bottom Overlay "1" at 4620,1555 h40
CN15: DXF_0731 "4" at 2746.7,430 h16; DXF_0731 "1" at 3046.7,295 h16; DXF_0731 "5" at 2646.7,295 h16; DXF_0731 "2" at 2946.7,430 h16; DXF_0731 "3" at 2846.7,295 h16; DXF_0731 "8" at 2346.7,430 h16; DXF_0731 "7" at 2446.7,295 h16; DXF_0731 "6" at 2546.7,430 h16; DXF_0731 "Sofer Lib Information" at 2898.1,777.5 h25; DXF_0731 "Ref PN: SSW-108-22-X-S-VS" at 2868.1,727.5 h25; DXF_0731 "Creat : Yuki" at 2868.1,687.5 h25; DXF_0731 "Date  : 2014-12-04" at 2868.1,647.5 h25; DXF_0731 "Rev   : A1" at 2868.1,607.5 h25; DXF_0731 "Remark: D031-014A1" at 2868.1,567.5 h25; DXF_0731 "OK" at 2675.1,362.5 h35; DXF_0731 "2.54" at 2932.1,534.5 h16; DXF_0731 "5.08" at 2982.1,209.5 h16; DXF_0731 "15.24" at 2778.1,179.5 h16; DXF_0731 "20.83" at 2748.1,149.5 h16; DXF_0731 "2.41" at 2272.1,354.5 h16; DXF_0731 "5.16" at 2217.1,354.5 h16; Bottom Overlay "8" at 2363.1,492.5 h25; Bottom Overlay "7" at 2410,240 h25; Bottom Overlay "2" at 2990,495 h25
CN16: DXF_0731 "6" at 1646.7,430 h16; DXF_0731 "5" at 1746.7,295 h16; DXF_0731 "4" at 1846.7,430 h16; DXF_0731 "3" at 1946.7,295 h16; DXF_0731 "2" at 2046.7,430 h16; DXF_0731 "1" at 2146.7,295 h16; DXF_0731 "Sofer Lib Information" at 2098.1,787.5 h25; DXF_0731 "Ref PN: SSW-106-22-X-S-VS" at 2068.1,737.5 h25; DXF_0731 "Creat : Yuki" at 2068.1,697.5 h25; DXF_0731 "Date  : 2014-12-04" at 2068.1,657.5 h25; DXF_0731 "Rev   : A1" at 2068.1,617.5 h25; DXF_0731 "Remark: D031-014A1" at 2068.1,577.5 h25; DXF_0731 "OK" at 1875.1,362.5 h35; DXF_0731 "2.54" at 2132.1,499.5 h16; DXF_0731 "5.08" at 1987.1,499.5 h16; DXF_0731 "15.75" at 1933.1,529.5 h16; DXF_0731 "2.41" at 1582.1,349.5 h16; DXF_0731 "5.16" at 1527.1,344.5 h16; Bottom Overlay "6" at 1610,465 h25; Bottom Overlay "5" at 1705,250 h25; Bottom Overlay "2" at 2063.1,492.5 h25
CN17: DXF_0731 "4" at 998.72,593.35 h15.98; DXF_0731 "10" at 738.39,191.77 h15.98; DXF_0731 "2" at 1085.33,593.35 h15.98; DXF_0731 "1" at 1128.64,593.35 h15.98; DXF_0731 "8" at 825.49,593.35 h15.98; DXF_0731 "7" at 868.8,593.35 h15.98; DXF_0731 "3" at 1042.02,593.35 h15.98; DXF_0731 "5" at 955.41,593.35 h15.98; DXF_0731 "12" at 1318.23,75.35 h15.98; DXF_0731 "13" at 1314.18,508.7 h15.98; DXF_0731 "11" at 729.53,75.63 h15.98; DXF_0731 "14" at 723.63,528.39 h15.98; DXF_0731 "9" at 780.21,593.35 h15.98; DXF_0731 "6" at 912.1,593.35 h15.98; DXF_0731 "1.1" at 1013.1,660 h15.98; DXF_0731 "7.7" at 1011.13,707.01 h15.98; DXF_0731 "8.85" at 1012.12,747.01 h15.98; Bottom Overlay "9" at 756,625 h25
D1: DXF_0731 "2" at 4412.03,1729.29 h16 r270; DXF_0731 "1" at 4412.03,1640.71 h16 r270; DXF_0731 "Approved" at 4303.77,1675 h35 r270; DXF_0731 "SOD-323" at 4260.1,1680 h30 r270; DXF_0731 "Sofer Lib Information" at 4716.1,1831 h25 r270; DXF_0731 "Ref PN: ***" at 4666.1,1801 h25 r270; DXF_0731 "Creat : Sofer Tech" at 4626.1,1801 h25 r270; DXF_0731 "Date  : 2007-11-28" at 4586.1,1801 h25 r270; DXF_0731 "Rev   : B1" at 4546.1,1801 h25 r270; DXF_0731 "Remark: ***" at 4506.1,1801 h25 r270
D2: DXF_0731 "2" at 3950.77,629.29 h16 r270; DXF_0731 "1" at 3950.77,540.71 h16 r270; DXF_0731 "Approved" at 3842.51,575 h35 r270; DXF_0731 "SOD-323" at 3798.84,580 h30 r270; DXF_0731 "[N_A]" at 3822.84,595 h30 r270; DXF_0731 "Sofer Lib Information" at 4254.84,731 h25 r270; DXF_0731 "Ref PN: ***" at 4204.84,701 h25 r270; DXF_0731 "Creat : Sofer Tech" at 4164.84,701 h25 r270; DXF_0731 "Date  : 2007-11-28" at 4124.84,701 h25 r270; DXF_0731 "Rev   : B1" at 4084.84,701 h25 r270; DXF_0731 "Remark: ***" at 4044.84,701 h25 r270
D3: DXF_0731 "2" at 4026.03,629.29 h16 r270; DXF_0731 "1" at 4026.03,540.71 h16 r270; DXF_0731 "Approved" at 3917.77,575 h35 r270; DXF_0731 "SOD-323" at 3874.1,580 h30 r270; DXF_0731 "Sofer Lib Information" at 4330.1,731 h25 r270; DXF_0731 "Ref PN: ***" at 4280.1,701 h25 r270; DXF_0731 "Creat : Sofer Tech" at 4240.1,701 h25 r270; DXF_0731 "Date  : 2007-11-28" at 4200.1,701 h25 r270; DXF_0731 "Rev   : B1" at 4160.1,701 h25 r270; DXF_0731 "Remark: ***" at 4120.1,701 h25 r270
D4: DXF_0731 "2" at 4101.03,629.29 h16 r270; DXF_0731 "1" at 4101.03,540.71 h16 r270; DXF_0731 "Approved" at 3992.77,575 h35 r270; DXF_0731 "SOD-323" at 3949.1,580 h30 r270; DXF_0731 "[N_A]" at 3973.1,595 h30 r270; DXF_0731 "Sofer Lib Information" at 4405.1,731 h25 r270; DXF_0731 "Ref PN: ***" at 4355.1,701 h25 r270; DXF_0731 "Creat : Sofer Tech" at 4315.1,701 h25 r270; DXF_0731 "Date  : 2007-11-28" at 4275.1,701 h25 r270; DXF_0731 "Rev   : B1" at 4235.1,701 h25 r270; DXF_0731 "Remark: ***" at 4195.1,701 h25 r270
D5: DXF_0731 "3" at 2837.25,287.6 h16 r270; DXF_0731 "4" at 2931.73,287.6 h16 r270; DXF_0731 "6" at 2931.73,362.4 h16 r270; DXF_0731 "1" at 2837.25,362.4 h16 r270; DXF_0731 "2" at 2837.25,325 h16 r270; DXF_0731 "5" at 2931.73,325 h16 r270; DXF_0731 "Creat : Jacky" at 3120.89,425 h25 r270; DXF_0731 "Sofer Lib Information" at 3210.89,455 h25 r270; DXF_0731 "Ref PN: RT9293BGJ6" at 3160.89,425 h25 r270; DXF_0731 "Date  : 2009-09-28" at 3080.89,425 h25 r270; DXF_0731 "Rev   : B2" at 3040.89,425 h25 r270; DXF_0731 "Remark: update pin size by Jacky" at 3000.89,425 h25 r270; DXF_0731 "Approved" at 2778.89,325 h35 r270; DXF_0731 "SOT23-6" at 2671.89,330 h30 r270
D6: DXF_0731 "1" at 682.73,1219.29 h16 r270; DXF_0731 "2" at 682.73,1130.71 h16 r270; DXF_0731 "Approved" at 785.67,1185 h35 r270; DXF_0731 "SOD-323" at 686,1180 h30 r270; DXF_0731 "Sofer Lib Information" at 974,1029 h25 r270; DXF_0731 "Ref PN: ***" at 924,1059 h25 r270; DXF_0731 "Creat : Sofer Tech" at 884,1059 h25 r270; DXF_0731 "Date  : 2007-11-28" at 844,1059 h25 r270; DXF_0731 "Rev   : B1" at 804,1059 h25 r270; DXF_0731 "Remark: ***" at 764,1059 h25 r270
H1: DXF_0731 "1" at 4702.2,195 h16
H2: DXF_0731 "1" at 162.2,2465 h16
H3: DXF_0731 "1" at 162.2,175 h16
H4: DXF_0731 "1" at 4912.2,2460 h16
JP1: DXF_0731 "2" at 2823.1,2505 h25 r180; DXF_0731 "1" at 2923.1,2505 h25 r180
JP2: DXF_0731 "1" at 3038.1,2000 h25; DXF_0731 "3" at 3238.1,2000 h25; DXF_0731 "2" at 3138.1,2000 h25
JP3: DXF_0731 "3" at 2568.1,940 h25; DXF_0731 "2" at 2468.1,940 h25; DXF_0731 "1" at 2368.1,940 h25
JP4: DXF_0731 "1" at 3058.1,940 h25; DXF_0731 "2" at 3158.1,940 h25; DXF_0731 "3" at 3258.1,940 h25
JP5: DXF_0731 "1" at 3728.1,940 h25; DXF_0731 "3" at 3928.1,940 h25; DXF_0731 "2" at 3828.1,940 h25
JP6: DXF_0731 "1" at 4903.1,790 h25 r90; DXF_0731 "3" at 4903.1,990 h25 r90; DXF_0731 "2" at 4903.1,890 h25 r90
JP7: DXF_0731 "7" at 3851.7,180 h16; DXF_0731 "5" at 3751.7,180 h16; DXF_0731 "9" at 3951.7,180 h16; DXF_0731 "10" at 3945.3,280 h16; DXF_0731 "6" at 3751.7,280 h16; DXF_0731 "8" at 3851.7,280 h16; DXF_0731 "2" at 3551.7,280 h16; DXF_0731 "4" at 3651.7,280 h16; DXF_0731 "3" at 3651.7,180 h16; DXF_0731 "1" at 3551.7,180 h16; DXF_0731 "OK" at 3700.49,230 h35; DXF_0731 "HDR_2X5_2R54" at 3529.49,50 h30; DXF_0731 "Sofer Lib Information" at 3512.49,587 h25; DXF_0731 "Ref PN: ***" at 3542.49,537 h25; DXF_0731 "Creat : Sofer Tech" at 3542.49,497 h25; DXF_0731 "Date  : 2007-05-10" at 3542.49,457 h25; DXF_0731 "Rev   : A1" at 3542.49,417 h25; DXF_0731 "Remark: ***" at 3542.49,377 h25; Top Overlay "2" at 3478.49,270 h25; Top Overlay "10" at 4013.1,265 h25; Top Overlay "9" at 4013.49,160 h25; Top Overlay "1" at 3478.49,170 h25
JP8: DXF_0731 "2" at 4143.1,180 h25 r270; DXF_0731 "1" at 4143.1,280 h25 r270
JP9: DXF_0731 "2" at 2255,1960 h25; DXF_0731 "1" at 2155,1960 h25
JP10: DXF_0731 "2" at 3845,1230 h25 r180; DXF_0731 "1" at 3945,1230 h25 r180
L1: DXF_0731 "1" at 2498.6,1905 h16; DXF_0731 "2" at 2558.6,1905 h16; DXF_0731 "Approved" at 2438,1893.33 h35; DXF_0731 "L0603" at 2470,1835 h30; DXF_0731 "Sofer Lib Information" at 2364,2167 h25; DXF_0731 "Ref PN: ***" at 2394,2117 h25; DXF_0731 "Creat : Sofer Tech" at 2394,2077 h25; DXF_0731 "Date  : 2007-11-27" at 2394,2037 h25; DXF_0731 "Rev   : B1" at 2394,1997 h25; DXF_0731 "Remark: ***" at 2394,1957 h25
L2: DXF_0731 "2" at 3438.6,655.02 h16 r90; DXF_0731 "1" at 3433.6,576 h16 r90; DXF_0731 "L1008_L0805_CPT" at 3400,625 h30 r90; DXF_0731 "Sofer Lib Information" at 3078,439 h25 r90; DXF_0731 "Ref PN: ***" at 3128,469 h25 r90; DXF_0731 "Creat : Ziv" at 3168,469 h25 r90; DXF_0731 "Date  : 2014-10-24" at 3208,469 h25 r90; DXF_0731 "Rev   : A1" at 3248,469 h25 r90; DXF_0731 "Remark: D045-037A1" at 3288,469 h25 r90; DXF_0731 "OK" at 3412,615 h35 r90; DXF_0731 "2.92" at 3353,596 h16 r90; DXF_0731 "2.79" at 3443,706 h16 r90
L3: DXF_0731 "2" at 3738.6,655.02 h16 r90; DXF_0731 "1" at 3733.6,576 h16 r90; DXF_0731 "L1008_L0805_CPT" at 3700,625 h30 r90; DXF_0731 "Sofer Lib Information" at 3378,439 h25 r90; DXF_0731 "Ref PN: ***" at 3428,469 h25 r90; DXF_0731 "Creat : Ziv" at 3468,469 h25 r90; DXF_0731 "Date  : 2014-10-24" at 3508,469 h25 r90; DXF_0731 "Rev   : A1" at 3548,469 h25 r90; DXF_0731 "Remark: D045-037A1" at 3588,469 h25 r90; DXF_0731 "OK" at 3712,615 h35 r90; DXF_0731 "2.92" at 3653,596 h16 r90; DXF_0731 "2.79" at 3743,706 h16 r90
L4: DXF_0731 "2" at 2188.6,455 h16 r270; DXF_0731 "1" at 2188.6,515 h16 r270; DXF_0731 "Approved" at 2071.33,470 h35 r270; DXF_0731 "L0603" at 2065,490 h30 r270; DXF_0731 "Sofer Lib Information" at 2457,656 h25 r270; DXF_0731 "Ref PN: ***" at 2407,626 h25 r270; DXF_0731 "Creat : Sofer Tech" at 2367,626 h25 r270; DXF_0731 "Date  : 2007-11-27" at 2327,626 h25 r270; DXF_0731 "Rev   : B1" at 2287,626 h25 r270; DXF_0731 "Remark: ***" at 2247,626 h25 r270
L5: DXF_0731 "2" at 2483.6,310 h16 r270; DXF_0731 "1" at 2483.6,370 h16 r270; DXF_0731 "Approved" at 2366.33,325 h35 r270; DXF_0731 "L0603" at 2360,345 h30 r270; DXF_0731 "Sofer Lib Information" at 2752,511 h25 r270; DXF_0731 "Ref PN: ***" at 2702,481 h25 r270; DXF_0731 "Creat : Sofer Tech" at 2662,481 h25 r270; DXF_0731 "Date  : 2007-11-27" at 2622,481 h25 r270; DXF_0731 "Rev   : B1" at 2582,481 h25 r270; DXF_0731 "Remark: ***" at 2542,481 h25 r270
L6: DXF_0731 "1" at 2406.7,240 h16 r180; DXF_0731 "2" at 2346.7,240 h16 r180; DXF_0731 "Approved" at 2256.1,251.67 h35 r180; DXF_0731 "L0603" at 2328.1,310 h30 r180; DXF_0731 "Sofer Lib Information" at 2554.1,-22 h25 r180; DXF_0731 "Ref PN: ***" at 2524.1,28 h25 r180; DXF_0731 "Creat : Sofer Tech" at 2524.1,68 h25 r180; DXF_0731 "Date  : 2007-11-27" at 2524.1,108 h25 r180; DXF_0731 "Rev   : B1" at 2524.1,148 h25 r180; DXF_0731 "Remark: ***" at 2524.1,188 h25 r180
L7: DXF_0731 "2" at 2038.7,140 h16 r180; DXF_0731 "1" at 2154.7,140 h16 r180; DXF_0731 "Approved" at 1991.1,140 h35 r180; DXF_0731 "L1210" at 2048.1,249 h30 r180; DXF_0731 "Sofer Lib Information" at 2254.1,-152 h25 r180; DXF_0731 "Ref PN: ***" at 2224.1,-102 h25 r180; DXF_0731 "Creat : Sofer Tech" at 2224.1,-62 h25 r180; DXF_0731 "Date  : 2010-12-15" at 2224.1,-22 h25 r180; DXF_0731 "Rev   : C1" at 2224.1,18 h25 r180; DXF_0731 "Remark: Updated Pad size" at 2224.1,58 h25 r180
L8: DXF_0731 "2" at 716.4,1445 h16; DXF_0731 "1" at 776.4,1445 h16; DXF_0731 "Approved" at 837,1433.33 h35; DXF_0731 "L0603" at 805,1375 h30; DXF_0731 "Sofer Lib Information" at 911,1707 h25; DXF_0731 "Ref PN: ***" at 881,1657 h25; DXF_0731 "Creat : Sofer Tech" at 881,1617 h25; DXF_0731 "Date  : 2007-11-27" at 881,1577 h25; DXF_0731 "Rev   : B1" at 881,1537 h25; DXF_0731 "Remark: ***" at 881,1497 h25
LD1: DXF_0731 "1" at 1481.7,2520 h16 r270; DXF_0731 "2" at 1481.7,2460 h16 r270; DXF_0731 "d0603" at 1363.1,2490 h30 r270; DXF_0731 "19-213SY6C_S530-E2_TR8LED" at 1278.1,2490 h20 r270; DXF_0731 "Approved" at 1376.1,2490 h35 r270; DXF_0731 "Sofer Lib Information" at 1765.1,2616 h25 r270; DXF_0731 "Ref PN: ***" at 1715.1,2586 h25 r270; DXF_0731 "Creat : Sofer Tech" at 1675.1,2586 h25 r270; DXF_0731 "Date  : 2007-05-10" at 1635.1,2586 h25 r270; DXF_0731 "Rev   : B1" at 1595.1,2586 h25 r270
LD2: DXF_0731 "Rev   : B1" at 1700.1,2586 h25 r270; DXF_0731 "Date  : 2007-05-10" at 1740.1,2586 h25 r270; DXF_0731 "Creat : Sofer Tech" at 1780.1,2586 h25 r270; DXF_0731 "Ref PN: ***" at 1820.1,2586 h25 r270; DXF_0731 "Sofer Lib Information" at 1870.1,2616 h25 r270; DXF_0731 "Approved" at 1481.1,2490 h35 r270; DXF_0731 "19-213SY6C_S530-E2_TR8LED" at 1383.1,2490 h20 r270; DXF_0731 "d0603" at 1468.1,2490 h30 r270; DXF_0731 "2" at 1586.7,2460 h16 r270; DXF_0731 "1" at 1586.7,2520 h16 r270
LD3: DXF_0731 "Rev   : B1" at 1890.1,2581 h25 r270; DXF_0731 "Date  : 2007-05-10" at 1930.1,2581 h25 r270; DXF_0731 "Creat : Sofer Tech" at 1970.1,2581 h25 r270; DXF_0731 "Ref PN: ***" at 2010.1,2581 h25 r270; DXF_0731 "Sofer Lib Information" at 2060.1,2611 h25 r270; DXF_0731 "Approved" at 1671.1,2485 h35 r270; DXF_0731 "19-213SY6C_S530-E2_TR8LED" at 1573.1,2485 h20 r270; DXF_0731 "d0603" at 1658.1,2485 h30 r270; DXF_0731 "2" at 1776.7,2455 h16 r270; DXF_0731 "1" at 1776.7,2515 h16 r270
LD4: DXF_0731 "Rev   : B1" at 3732,1314.1 h25 r270; DXF_0731 "Date  : 2007-05-10" at 3772,1314.1 h25 r270; DXF_0731 "Creat : Sofer Tech" at 3812,1314.1 h25 r270; DXF_0731 "Ref PN: ***" at 3852,1314.1 h25 r270; DXF_0731 "Sofer Lib Information" at 3902,1344.1 h25 r270; DXF_0731 "Approved" at 3513,1218.1 h35 r270; DXF_0731 "19-213SY6C_S530-E2_TR8LED" at 3415,1218.1 h20 r270; DXF_0731 "d0603" at 3500,1218.1 h30 r270; DXF_0731 "2" at 3618.6,1188.1 h16 r270; DXF_0731 "1" at 3618.6,1248.1 h16 r270